# Allegro board HI3516AREFB_VER_B_PCB.brd
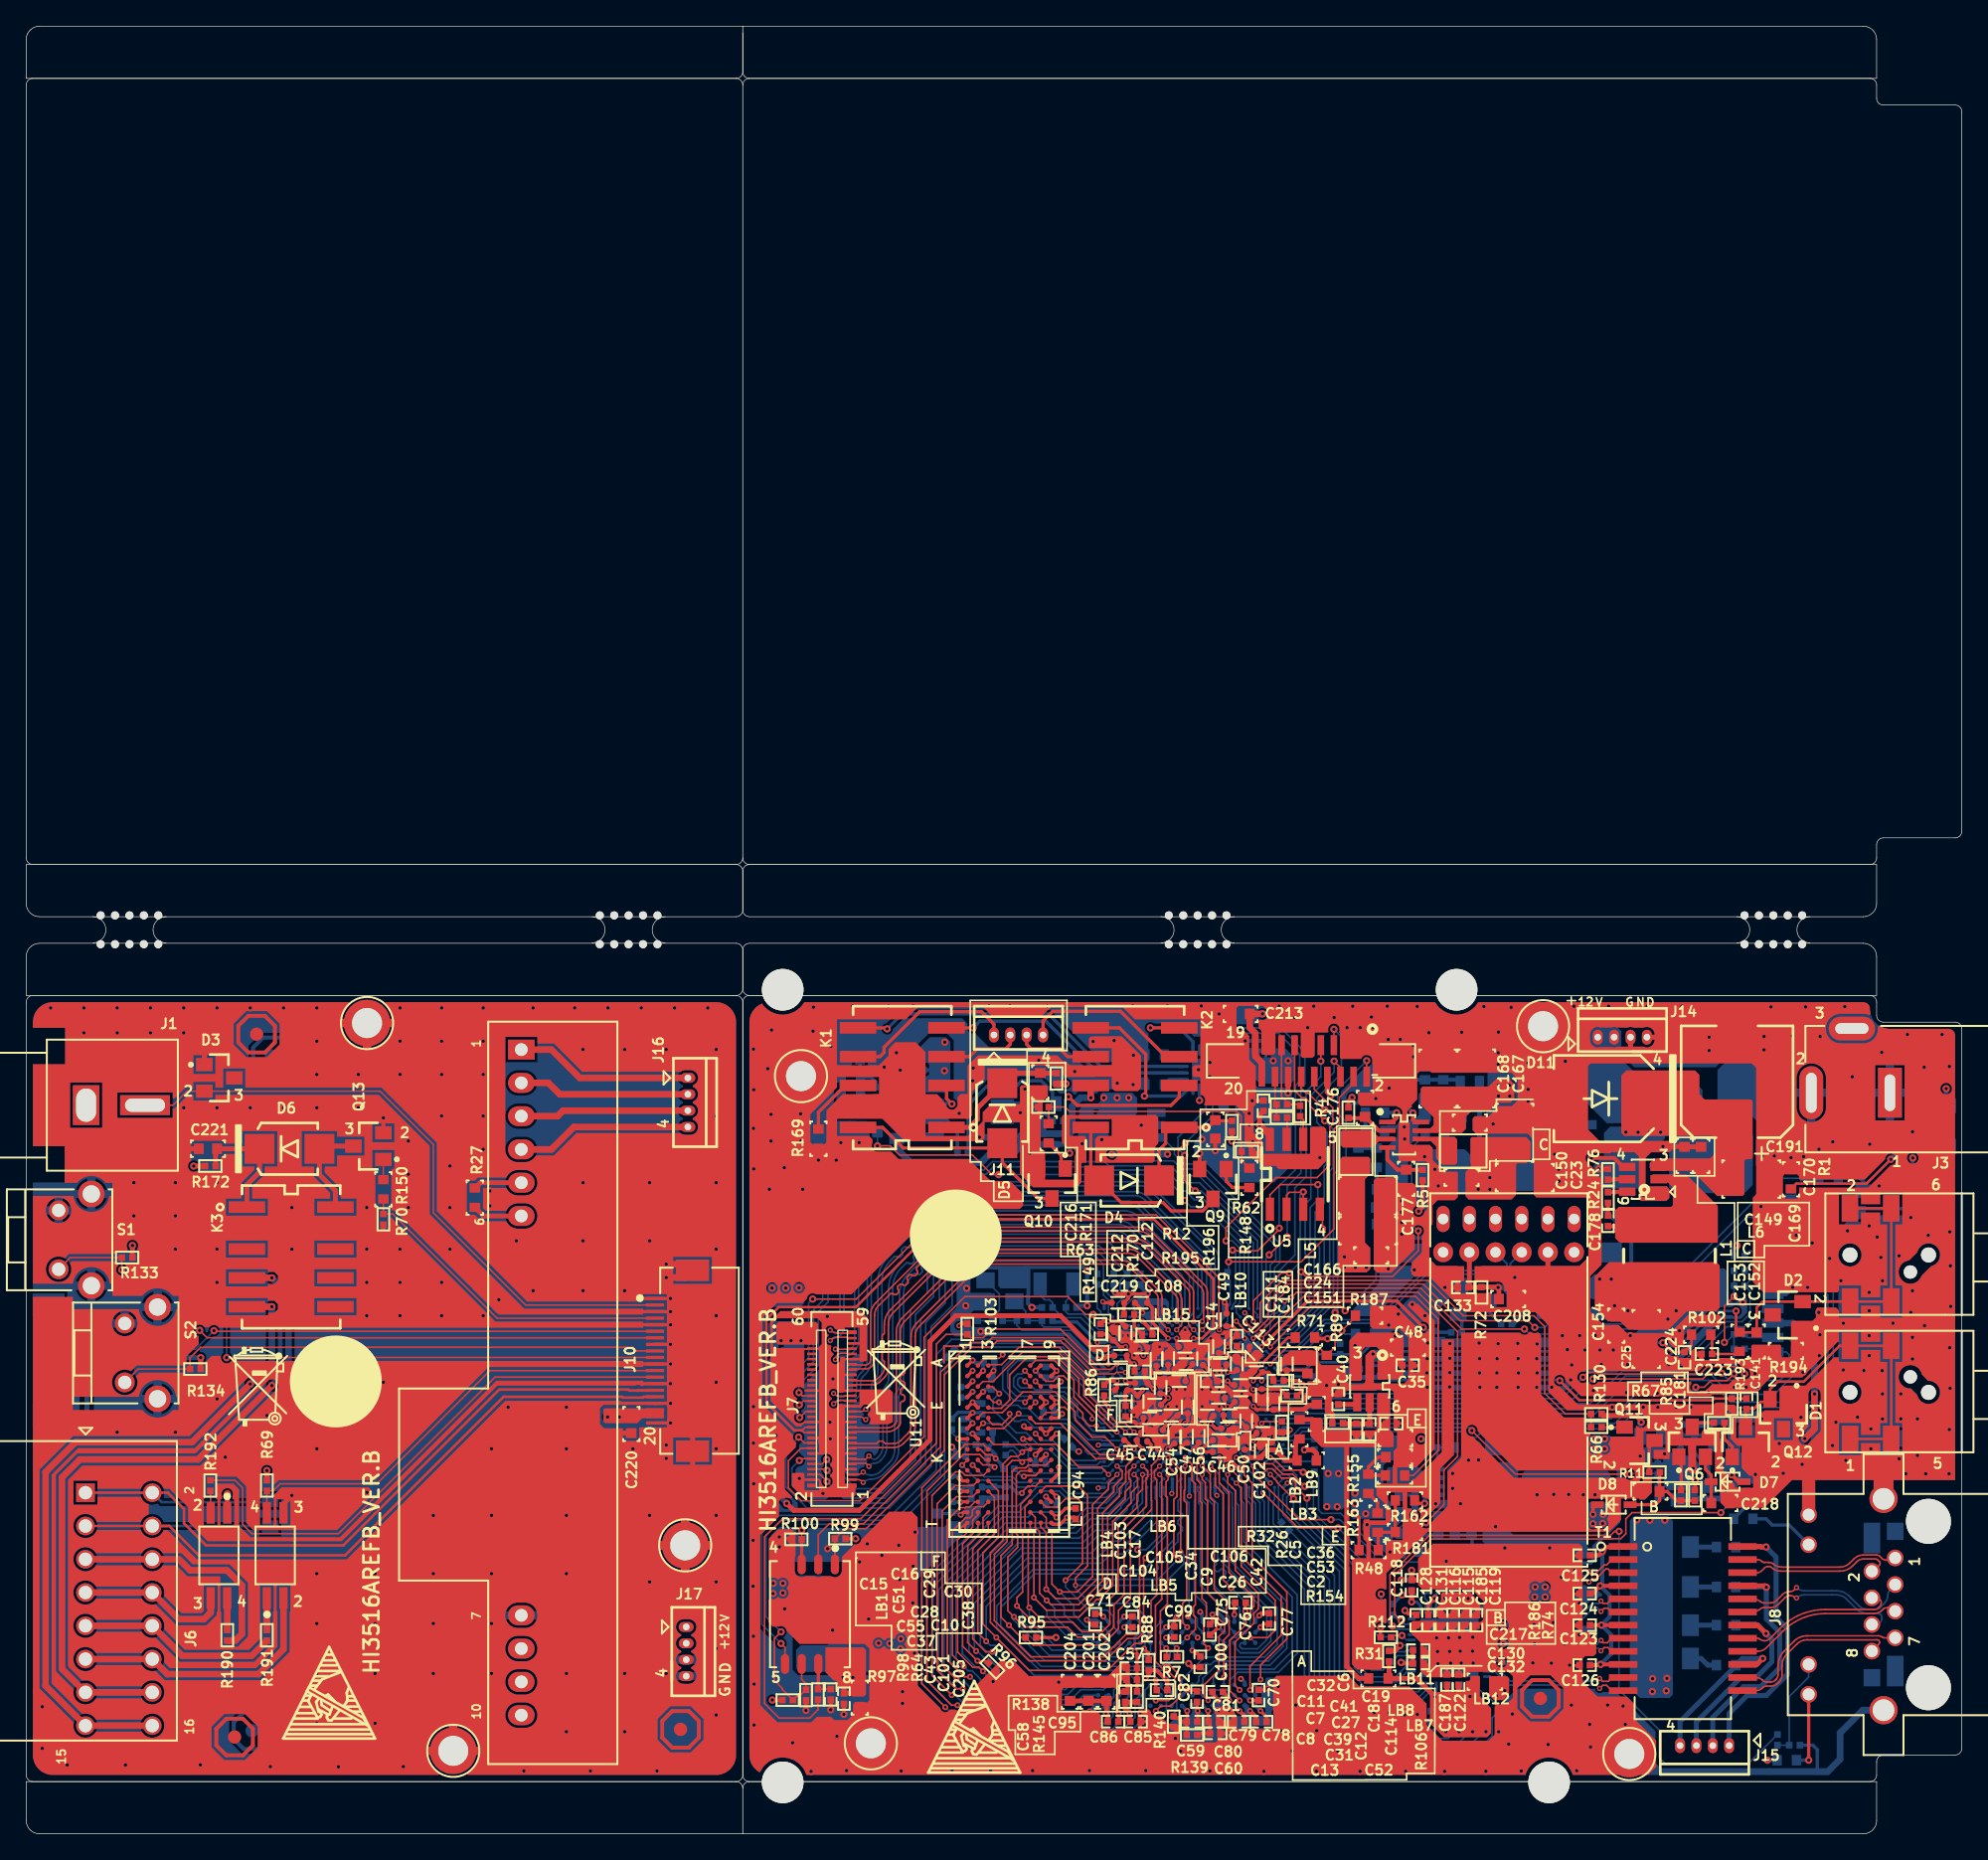
[diagram p0: board, top side]
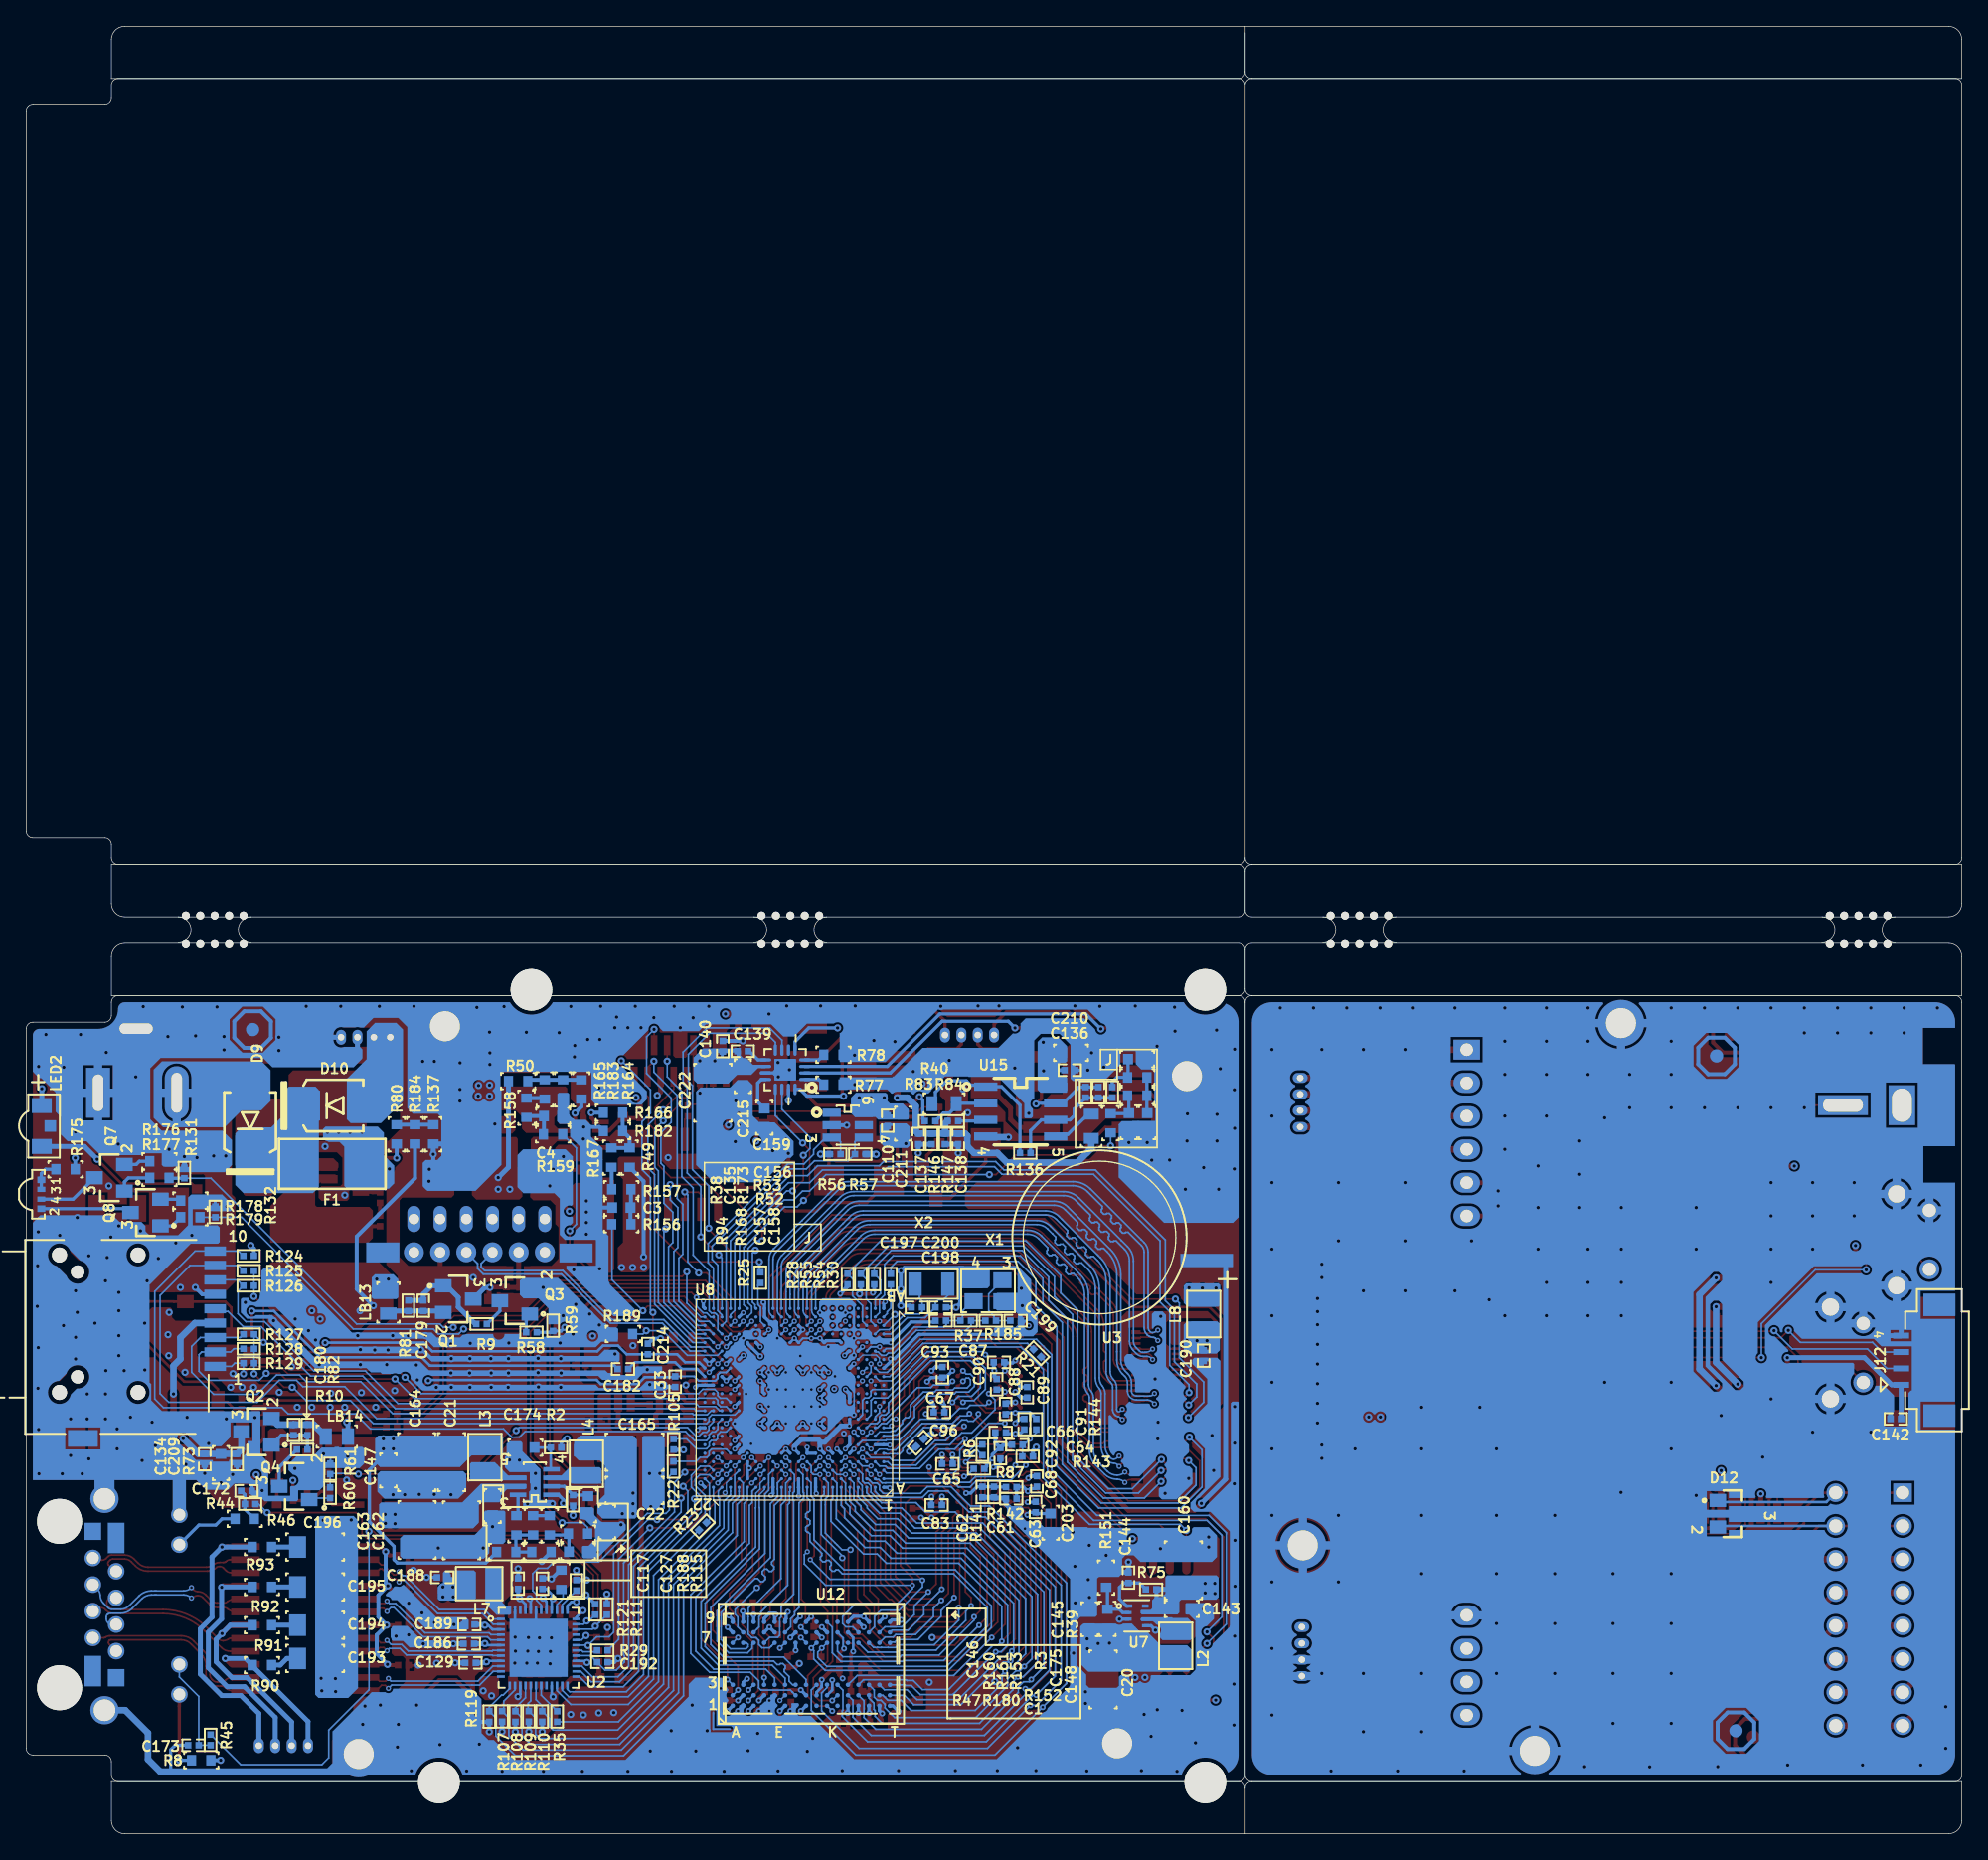
[diagram p1: board, bottom side, seen from below]

Outline 147.74 x 137.97 mm; copper layers: TOP, POWER02, GND03, BOTTOM. Coordinates in mm from the lower left corner of the outline.
Outline path: 54.19,3.98 0,3.98 0,1.02 arc(0.3,0.3) 1.02,0 54.69,0 ; 54.19,3.98 0.51,3.98 arc(0.15,4.13) 0,4.49 0,63.48 arc(0.15,63.84) 0.51,63.98 54.19,63.98 ; 54.19,3.98 arc(54.55,3.84) 54.69,3.48 ; 54.19,3.98 arc(54.55,4.13) 54.69,4.49 ; 54.19,73.98 0.51,73.98 arc(0.15,74.13) 0,74.49 0,133.48 arc(0.15,133.83) 0.51,133.98 54.19,133.98 ; 54.19,73.98 0,73.98 0,71.02 arc(0.3,70.3) 1.02,70 54.19,70 arc(54.55,70.15) 54.69,70.51 ; 54.19,73.98 arc(54.55,73.84) 54.69,73.48 ; 54.19,73.98 arc(54.55,74.13) 54.69,74.49 ; 54.19,63.98 0,63.98 0,66.95 arc(0.3,67.67) 1.02,67.97 54.19,67.97 arc(54.55,67.82) 54.69,67.46 ; 54.19,63.98 arc(54.55,63.84) 54.69,63.48 ; 54.19,63.98 arc(54.55,64.13) 54.69,64.49 ; 54.69,137.97 1.02,137.97 arc(0.3,137.67) 0,136.95 0,133.98 54.19,133.98 ; 54.69,137.97 54.69,134.49 ; 54.69,137.97 140.23,137.97 arc(140.94,137.67) 141.24,136.95 141.24,133.98 55.2,133.98 ; 54.69,0 54.69,3.48 ; 54.69,0 140.23,0 arc(140.94,0.3) 141.24,1.02 141.24,3.98 55.2,3.98 ; 54.19,133.98 arc(54.55,133.83) 54.69,133.48 ; 54.19,133.98 arc(54.55,134.13) 54.69,134.49 ; 54.69,133.48 arc(54.84,133.83) 55.2,133.98 ; 54.69,133.48 54.69,74.49 ; 54.69,73.48 54.69,70.51 ; 54.69,73.48 arc(54.84,73.84) 55.2,73.98 ; 54.69,73.48 54.69,70.51 ; 54.69,67.46 54.69,64.49 ; 54.69,67.46 arc(54.84,67.82) 55.2,67.97 140.23,67.97 arc(140.94,67.67) 141.24,66.95 141.24,63.98 55.2,63.98 ; 54.69,67.46 54.69,64.49 ; 54.69,63.48 54.69,4.49 ; 54.69,63.48 arc(54.84,63.84) 55.2,63.98 ; 54.69,63.48 54.69,4.49 ; 54.69,3.48 arc(54.84,3.84) 55.2,3.98 ; 54.69,134.49 54.69,137.46 ; 54.69,134.49 arc(54.84,134.13) 55.2,133.98 ; 55.2,133.98 140.73,133.98 arc(141.09,133.83) 141.24,133.48 141.24,132.46 arc(141.39,132.1) 141.75,131.95 147.23,131.95 arc(147.59,131.8) 147.74,131.44 147.74,76.52 arc(147.59,76.16) 147.23,76.02 141.75,76.02 arc(141.39,75.87) 141.24,75.51 141.24,74.49 arc(141.09,74.13) 140.73,73.98 55.2,73.98 ; 54.69,74.49 arc(54.84,74.13) 55.2,73.98 ; 54.69,70.51 arc(54.84,70.15) 55.2,70 140.23,70 arc(140.94,70.3) 141.24,71.02 141.24,73.98 55.2,73.98 ; 54.69,64.49 arc(54.84,64.13) 55.2,63.98 ; 54.69,4.49 arc(54.84,4.13) 55.2,3.98 ; 55.2,63.98 140.73,63.98 arc(141.09,63.84) 141.24,63.48 141.24,62.46 arc(141.39,62.1) 141.75,61.95 147.23,61.95 arc(147.59,61.8) 147.74,61.44 147.74,6.52 arc(147.59,6.16) 147.23,6.02 141.75,6.02 arc(141.39,5.87) 141.24,5.51 141.24,4.49 arc(141.09,4.13) 140.73,3.98 55.2,3.98

## Design rules (mm)
constraint set DEFAULT: min track width 0.127
net group $5N57: nets 12V0 $5N57
net group $5N74: nets $5N74 $5N76
net group $5N81: nets $5N81 $5N83
net group $5N426: nets 1V8 $5N426
net group $9N193: nets $9N193 EPHY_CLK
net group $9N253: nets $9N253 RGMII_TX_CLK
net group $9N273: nets $9N273 MDCK
net group $9N302: nets $9N302 SYS_RSTN_OUT
net group $9N313: nets $9N313 SFC_CLK/SFC_BOOT_MODE
net group $10N55: nets $10N55 SENSOR_CLK
net group $11N297: nets $11N297 FLASH_TRIG
net group $12N30: nets $12N30 RGMII_RX_CLK
net group $12N424: nets $12N424 POE_VB2
net group $12N434: nets $12N434 POE_VB1
net group $12N437: nets $12N437 POE_VA2
net group $12N444: nets $12N444 POE_VA1
net group $14N24: nets $14N24 LED1_LINKE/PHY_AD1
net group $14N29: nets $14N29 LED0_ACTIVE/PHY_AD0
net group $15N50: nets $15N50 SDIO1_CARD_POWER_EN
net group $18N72: nets $18N72 LED2
net group $18N416: nets $18N416 MUTE
net group $18N440: nets $18N440 $18N442
net group $18N491: nets $18N491 AC_MICBIAS
net group $19N66: nets $19N66 FLASH_CON
net group $19N229: nets $19N229 $19N230
net group DDR3_CLK0: nets DDR3_CLK0_N DDR3_CLK0_P
net group DDR3_CLK1: nets DDR3_CLK1_N DDR3_CLK1_P
net group MIPI0_CK: nets MIPI0_CKM MIPI0_CKP
net group MIPI0_D0: nets MIPI0_D0M MIPI0_D0P
net group MIPI0_D1: nets MIPI0_D1M MIPI0_D1P
net group MIPI0_D2: nets MIPI0_D2M MIPI0_D2P
net group MIPI0_D3: nets MIPI0_D3M MIPI0_D3P
net group MIPI1_CK: nets MIPI1_CKM MIPI1_CKP
net group MIPI1_D0: nets MIPI1_D0M MIPI1_D0P
net group MIPI1_D1: nets MIPI1_D1M MIPI1_D1P
net group MIPI1_D2: nets MIPI1_D2M MIPI1_D2P
net group MIPI1_D3: nets MIPI1_D3M MIPI1_D3P
net group MX1: nets MX1+ MX1-
net group MX2: nets MX2+ MX2-
net group MX3: nets MX3+ MX3-
net group MX4: nets MX4+ MX4-
net group PWR: nets GND PGND
net group RS485_A: nets RS485_A RS485_B
net group SFC_CSN1: nets SFC_CSN1 SFC_SDI_IO1
net group USB: nets USB_DM USB_DP
net group 3V3_CON: nets 3V3_CON ALARM_IN_CON ONE_KEY_RECOVERY_CON WPS_CON
net group $5N319: nets 1V1_MEDIA_CORE $5N319 $5N360 $5N362 $5N366 SVB_PWM_CPU
net group $5N325: nets 1V1_DDR_CORE $5N325 $5N371 $5N373 $5N376 SVB_PWM_DDR
net group $5N329: nets $5N329 $5N387 $5N390 $5N396 SVB_PWM_VDD
net group $5N333: nets $5N333 $5N379 $5N382 $5N384 SVB_PWM_MEDIA
net group $9N11: nets $9N9 $9N11 $9N21
net group $14N104: nets $14N96 $14N104 $14N159
net group $15N47: nets $15N47 $15N48 $15N51
net group $16N20: nets $16N20 $16N80 $16N92 CONT- DRV
net group $16N22: nets $16N22 $16N24 $16N26 DC_IRIS_PWM
net group $16N78: nets $16N78 $16N98 CONT+
net group $17N132: nets $17N87 $17N132 GPIO5
net group $18N425: nets $18N425 $18N427 $18N438
net group DDR: nets DDR3_A0 DDR3_A1 DDR3_A2 DDR3_A3 DDR3_A4 DDR3_A5 DDR3_A6 DDR3_A7 DDR3_A8 DDR3_A9 DDR3_A10 DDR3_A11 DDR3_A12 DDR3_A13 DDR3_A14 DDR3_BA0 DDR3_BA1 DDR3_BA2 DDR3_CAS_N DDR3_CKE DDR3_CS0_N DDR3_CS1_N DDR3_DM0 DDR3_DM1 DDR3_DM2 DDR3_DM3 DDR3_DQ0 DDR3_DQ1 DDR3_DQ2 DDR3_DQ3 DDR3_DQ4 DDR3_DQ5 DDR3_DQ6 DDR3_DQ7 DDR3_DQ8 DDR3_DQ9 DDR3_DQ10 DDR3_DQ11 DDR3_DQ12 DDR3_DQ13 DDR3_DQ14 DDR3_DQ15 DDR3_DQ16 DDR3_DQ17 DDR3_DQ18 DDR3_DQ19 DDR3_DQ20 DDR3_DQ21 DDR3_DQ22 DDR3_DQ23 DDR3_DQ24 DDR3_DQ25 DDR3_DQ26 DDR3_DQ27 DDR3_DQ28 DDR3_DQ29 DDR3_DQ30 DDR3_DQ31 DDR3_ODT_0 DDR3_ODT_1 DDR3_RAS_N DDR3_RESET_N DDR3_WE_N DDR3_ZQ
net group DVDD3318: nets DVDD3318 MDIO RGMII_RXD0/SELRGV RGMII_RXD1/TXDLY RGMII_RXD3/AN1
net group SDIO1_CCMD: nets SDIO1_CCMD SDIO1_CDATA0 SDIO1_CDATA1 SDIO1_CDATA2 SDIO1_CDATA3 SDIO1_VOUT
net group SPI0_CLK/I2C0_SCL: nets SPI0_CLK/I2C0_SCL SPI0_CSN SPI0_MOSI/I2C0_SDA VI_POWER_SENSOR

## Placement (name value [footprint] x y rotation side)
C1  1UF_NC  [SC0603]  105.62 21.53 180 bottom
C2  1UF_NC  [SC0603]  104.48 28.75 0 top
C3  1UF_NC  [SC0603]  102.32 47.8 0 bottom
C4  1UF_NC  [SC0603]  107.53 54.78 180 bottom
C5  39PF  [SC0402]  102.55 30.88 90 top
C6  2.2UF  [SC0402-BGA]  92.4 35.87 90 top
C7  2.2UF  [SC0402-BGA]  91.01 33.28 180 top
C8  2.2UF  [SC0402-BGA]  90.14 31.92 180 top
C9  2.2UF  [SC0402-BGA]  87.17 36.27 90 top
C10  2.2UF  [SC0402-BGA]  87.39 31.92 180 top
C11  4.7UF  [SC0402]  90.51 34.54 180 top
C12  2.2UF  [SC0402-BGA]  93.13 31.5 90 top
C13  2.2UF  [SC0402-BGA]  91.04 30.05 0 top
C14  2.2UF  [SC0402-BGA]  91.04 37.18 90 top
C15  2.2UF  [SC0402-BGA]  83.57 33.86 180 top
C16  2.2UF  [SC0402-BGA]  85.12 34.41 180 top
C17  2.2UF  [SC0402-BGA]  83.91 38.25 270 top
C18  2.2UF  [SC0402-BGA]  94.32 33.47 270 top
C19  2.2UF  [SC0402-BGA]  93.89 35.24 180 top
C20  47UF  [SC1206]  65.54 11.78 270 bottom
C21  47UF  [SC1206]  115.27 28.37 270 bottom
C22  47UF  [SC1206]  101.3 26.21 180 bottom
C23  47UF  [SC1206]  114.38 50.08 0 top
C24  47UF  [SC1206]  102.42 46.03 0 top
C25  47UF  [SC1206]  123.65 37.77 270 top
C26  100NF  [SC0402-BGA]  88.54 35.85 180 top
C27  100NF  [SC0402-BGA]  92.71 32.95 0 top
C28  100NF  [SC0402-BGA]  86.14 32.76 180 top
C29  2.2UF  [SC0402-BGA]  86.59 34.07 90 top
C30  2.2UF  [SC0402-BGA]  88.01 34.56 180 top
C31  100NF  [SC0402-BGA]  91.7 30.94 0 top
C32  100NF  [SC0402-BGA]  91.12 35.81 180 top
C33  1NF_NC  [SC0402]  98.21 34.51 270 bottom
C34  100NF  [SC0402-BGA]  86.27 36.2 90 top
C35  100NF  [SC0402]  105.44 35.76 0 top
C36  100NF  [SC0402]  104.2 31.31 0 top
C37  100NF  [SC0402-BGA]  86.3 30.84 180 top
C38  100NF  [SC0402-BGA]  88.66 32.57 90 top
C39  100NF  [SC0402-BGA]  91.86 31.95 0 top
C40  10NF  [SC0402]  100.15 33.18 90 top
C41  100NF  [SC0402-BGA]  92.68 34.26 0 top
C42  100NF  [SC0402-BGA]  89.83 36.25 90 top
C43  1NF  [SC0402]  61.41 10.64 270 top
C44  100NF  [SC0402-BGA]  86.04 29.95 0 top
C45  100NF  [SC0402-BGA]  84.29 30.04 180 top
C46  100NF  [SC0402-BGA]  91.03 29.15 0 top
C47  100NF  [SC0402-BGA]  88.6 30.31 90 top
C48  10UF  [SC0603]  105.47 37.11 0 top
C49  100NF  [SC0402-BGA]  91.63 39.23 90 top
C50  100NF  [SC0402-BGA]  93 29.8 90 top
C51  100NF  [SC0402-BGA]  84.83 32.98 270 top
C52  100NF  [SC0402-BGA]  94.39 30.6 0 top
C53  10UF  [SC0603]  104.51 30.21 0 top
C54  100NF  [SC0402-BGA]  87.64 30.27 90 top
C55  100NF  [SC0402-BGA]  85.75 31.73 0 top
C56  100NF  [SC0402-BGA]  89.49 30.33 90 top
C57  100NF  [SC0402]  84.39 12.65 180 top
C58  100NF  [SC0402]  83.88 10.46 90 top
C59  100NF  [SC0402]  88.98 8.56 0 top
C60  100NF  [SC0402]  90.76 7.67 0 top
C61  100NF  [SC0402]  72.55 25.57 0 bottom
C62  100NF  [SC0402]  74.76 26.08 270 bottom
C63  100NF  [SC0402]  70.7 24.94 90 bottom
C64  100NF  [SC0402]  72.09 29.69 0 bottom
C65  100NF  [SC0402]  77.43 28.24 180 bottom
C66  100NF  [SC0402]  73.36 30.63 0 bottom
C67  100NF  [SC0402]  78.06 32.18 180 bottom
C68  100NF  [SC0402]  70.59 26.89 90 bottom
C70  100NF  [SC0402]  94.06 10.59 90 top
C71  100NF  [SC0402]  81.59 16.38 270 top
C75  100NF  [SC0402]  90.36 15.59 270 top
C76  100NF  [SC0402]  92.68 17.65 0 top
C77  100NF  [SC0402]  94.88 16.43 90 top
C78  100NF  [SC0402]  94.27 8.55 180 top
C79  100NF  [SC0402]  92.57 8.55 180 top
C80  100NF  [SC0402]  90.65 8.56 0 top
C81  100NF  [SC0402]  90.95 10.84 180 top
C82  100NF  [SC0402]  89.37 10.47 270 top
C83  100NF  [SC0402]  78.25 25.09 180 bottom
C84  100NF  [SC0402]  84.44 16.18 90 top
C85  100NF  [SC0402]  84.68 8.56 0 top
C86  100NF  [SC0402]  82.96 8.56 0 top
C87  100NF  [SC0402]  73.49 35.99 0 bottom
C88  100NF  [SC0402]  72.98 32.43 90 bottom
C89  100NF  [SC0402]  71.33 33.7 270 bottom
C90  100NF  [SC0402]  73.67 34.31 90 bottom
C91  100NF  [SC0402]  71.56 31.26 90 bottom
C92  100NF  [SC0402]  73.38 29.04 90 bottom
C93  100NF  [SC0402]  77.81 35.23 90 bottom
C94  100NF  [SC0402]  80.09 24.43 270 top
C95  100NF  [SC0402]  86.7 10.97 0 top
C96  100NF  [SC0402]  79.53 29.85 315 bottom
C99  100NF  [SC0402]  87.64 15.41 270 top
C100  100NF  [SC0402]  89.62 13.13 270 top
C101  100NF  [SC0402]  62.42 10.32 270 top
C102  100NF  [SC0402-BGA]  94.23 29.22 90 top
C103  100NF  [SC0402-BGA]  82.98 38.15 90 top
C104  100NF  [SC0402-BGA]  83.53 36.49 180 top
C105  100NF  [SC0402-BGA]  85.1 37.12 180 top
C106  100NF  [SC0402-BGA]  88.44 37.17 0 top
C108  100NF  [SC0402-BGA]  85.1 40.53 180 top
C110  100NF  [SC0402]  81.98 54.43 270 bottom
C111  100NF  [SC0402-BGA]  96.22 35.86 90 top
C112  100NF  [SC0402]  94.44 55.57 90 top
C113  100NF  [SC0402-BGA]  93.72 36.84 315 top
C114  100NF  [SC0402-BGA]  95.21 32.83 90 top
C115  100NF  [SC0402]  108.93 16.34 270 top
C116  100NF  [SC0402]  108.03 16.3 270 top
C117  100NF  [SC0402]  110.19 19.1 90 bottom
C118  100NF  [SC0402]  105.75 18.97 90 top
C119  100NF  [SC0402]  110.7 16.3 270 top
C122  100NF  [SC0402]  109.33 11.77 90 top
C123  100NF  [SC0402]  118.96 15.92 180 top
C124  100NF  [SC0402]  118.96 18.33 180 top
C125  100NF  [SC0402]  118.96 21.26 180 top
C126  100NF  [SC0402]  118.96 12.87 180 top
C127  100NF  [SC0402]  108.34 19.1 90 bottom
C128  100NF  [SC0402]  106.1 16.3 270 top
C129  100NF  [SC0402]  113.83 13.05 0 bottom
C130  100NF  [SC0402]  106.26 14.02 0 top
C131  100NF  [SC0402]  107.02 16.3 270 top
C132  100NF  [SC0402]  106.26 13 0 top
C133  100NF  [SC0402]  109.68 41.7 180 top
C134  100NF  [SC0402]  134.11 28.59 270 bottom
C135  100NF  [SC0402]  65.9 56.59 90 bottom
C136  100NF  [SC0402]  68.09 58.29 0 bottom
C137  100NF  [SC0402]  79.65 53.03 270 bottom
C138  100NF  [SC0402]  76.6 53.03 90 bottom
C139  100NF  [SC0402]  93.05 59.74 0 bottom
C140  100NF  [SC0402]  94.57 60.12 90 bottom
C141  33PF  [SC0603]  132.09 37.57 270 top
C142  100NF  [SC0402]  5.04 31.67 0 bottom
C143  100NF  [SC0603]  59.55 17.17 180 bottom
C144  10NF  [SC0402]  63.61 19.55 90 bottom
C145  100NF  [SC0603]  66.58 16.38 90 bottom
C146  100NF  [SC0603]  112.15 25.02 270 bottom
C147  100NF  [SC0603]  120.1 27.73 270 bottom
C148  100NF  [SC0603]  103.41 23.8 270 bottom
C149  100NF  [SC0603]  110.19 54.28 0 top
C150  100NF  [SC0603]  109.56 50.08 180 top
C151  100NF  [SC0603]  102.66 44.15 0 top
C152  100NF  [SC0603]  127.85 51.74 90 top
C153  100NF  [SC0603]  126.58 51.74 90 top
C154  100NF  [SC0603]  121.37 38.78 270 top
C156  2.2UF  [SC0603]  62.94 59.13 180 bottom
C157  2.2UF  [SC0603]  63.58 54.31 270 bottom
C158  2.2UF  [SC0603]  62.18 54.31 270 bottom
C159  2.2UF  [SC0603]  91.4 54.66 90 bottom
C160  22UF  [SC1210]  59.42 20.11 90 bottom
C162  22UF  [SC1210]  114.51 23.16 270 bottom
C163  22UF  [SC1210]  117.91 23.19 270 bottom
C164  22UF  [SC1210]  117.94 28.37 270 bottom
C165  22UF  [SC1210]  101.3 29.13 180 bottom
C166  22UF  [SC1210]  102.41 48.69 0 top
C167  22UF  [SC1210]  110.69 57.65 90 top
C168  22UF  [SC1210]  107.75 57.64 90 top
C169  22UF  [SC1210]  113.62 53.51 90 top
C170  22UF  [SC1210]  131.67 49.97 0 top
C172  22PF  [SC0402]  130.93 26.17 180 bottom
C173  22PF  [SC0402]  134.98 6.77 0 bottom
C174  100NF  [SC0603]  109.64 29.48 0 bottom
C175  100NF  [SC0603]  104.86 25.07 270 bottom
C176  100NF  [SC0603]  102.19 55.42 90 top
C177  100NF  [SC0603]  105.33 49.99 270 top
C178  1UF  [SC0402]  120.73 46.78 270 top
C179  1UF  [SC0402]  117.43 40.31 90 bottom
C180  1UF  [SC0402]  127.33 30.83 270 bottom
C181  1UF  [SC0402]  131.31 32.82 90 top
C182  4.7UF  [SC0402]  102.19 35.48 0 bottom
C184  10UF  [SC0603]  97.8 35.84 90 top
C185  4.7UF  [SC0402]  109.81 16.34 270 top
C186  4.7UF  [SC0402]  113.96 14.5 0 bottom
C187  4.7UF  [SC0402]  108.45 11.77 90 top
C188  4.7UF  [SC0402]  115.98 19.58 0 bottom
C189  4.7UF  [SC0402]  113.92 15.97 0 bottom
C190  4.7UF  [SC0402]  57.87 36.5 270 bottom
C191  220UF  [SCAPC2-280-327]  130.59 57.4 90 top
C192  1NF  [SC0402]  103.76 13.1 180 bottom
C193  1NF  [SC1206]  125.69 13.38 180 bottom
C194  1NF  [SC1206]  125.69 15.92 180 bottom
C195  1NF  [SC1206]  125.69 18.84 180 bottom
C196  1NF  [SC1206]  125.69 21.89 180 bottom
C197  15PF  [SC0402]  79.76 40.18 0 bottom
C198  15PF  [SC0402]  77.93 40.18 180 bottom
C199  15PF  [SC0402]  72.22 39.16 180 bottom
C200  15PF  [SC0402]  77.93 39.16 0 bottom
C201  10UF  [SC0603]  81.08 10.84 90 top
C202  10UF  [SC0603]  82.46 10.84 90 top
C203  10UF  [SC0603]  69.55 23.74 270 bottom
C204  10UF  [SC0603]  79.67 10.84 90 top
C205  10UF  [SC0603]  63.63 10.39 270 top
C208  10UF  [SC0603]  113.11 40.81 0 top
C209  10UF  [SC0603]  132.88 28.29 270 bottom
C210  10UF  [SC0603]  68 59.62 180 bottom
C211  10UF  [SC0603]  80.81 54.2 270 bottom
C212  10UF  [SC0603]  90.76 53.77 270 top
C213  10UF  [SC0603]  92.69 62.58 180 top
C214  4.7UF  [SC0402]  100.29 37 90 bottom
C215  10UF  [SC0603]  93.05 57.83 270 bottom
C216  10UF  [SC0603]  77.4 57.36 270 top
C217  10UF  [SC0603]  123.98 26.13 180 top
C218  10UF  [SC0603]  129.32 25.25 0 top
C219  2.2UF  [SC0402-BGA]  83.33 40.53 180 top
C220  10UF  [SC0603]  46.18 31.28 270 top
C221  10UF  [SC0603]  13.87 52.29 180 top
C222  100UF  [SC1210]  95.33 56.56 270 bottom
C223  2.2UF  [HSC0402]  128.28 36.62 180 top
C224  100NF  [SC0402]  126.58 36.37 270 top
D1  D2-3_D  [SOT23]  134.13 32.03 180 top
D2  D2-3_D  [SOT23]  134.45 39.6 90 top
D3  D2-3_D  [SOT23]  14.74 57.7 270 top
D4  D  [SD1714A]  84.18 49.86 0 top
D5  D  [SD1714A]  74.51 55 90 top
D6  D  [SD1714A]  20.1 52.29 180 top
D7  D_A  [SOD323]  129.86 26.87 180 top
D8  D_A  [SOD323]  121.17 25.12 180 top
D9  DIODE  [SD1714A]  130.65 54.43 270 bottom
D10  DIODE  [SD1714A]  124.17 55.58 0 bottom
D11  DZ  [SD2723]  120.16 56.11 0 top
D12  D2-3_D  [SOT23]  17.48 24.43 270 bottom
F1  SSQ2_A  [SF6127]  124.38 51.13 180 bottom
J1  AV_84_5Y_HW  [VAF2]  4.57 55.61 270 top
J2  HEAD1_6  [WL-UW163DN]  118.15 44.39 180 top
J3  DC2026_00  [PWC0103-M-N]  142.25 56.56 0 top
J4  AUDIO  [PHONEJ6]  142.66 33.69 180 top
J5  AUDIO  [PHONEJ6]  142.66 44.18 180 top
J6  CON  [HD2X8_2_54]  9.62 8.26 90 top
J7  MIPI_60_CON  [SED60-16F-A]  61.5 32.43 90 top
J8  E5J88_14LJ24_L  [MJ8-SRLFY]  142.66 21.06 270 top
J9  FPC-20  [FPC20-1_0MM]  98.07 58.99 0 top
J10  -  [FPC-20]  51.39 36.11 90 top
J11  SDW12501_4A_HW  [WBC0104-49T]  73.86 60.97 0 top
J12  SDW12501_4A_HW  [WTB4-1_25]  1.89 36.15 270 bottom
J13  SD-47309-001  [TF_CARD-MISOSD]  143.82 37.93 270 bottom
J14  SDW12501_4A_HW  [WBC0104-49T]  119.96 60.8 0 top
J15  SDW12501_4A_HW  [WBC0104-49T]  129.98 6.73 180 top
J16  SDW12501_4A_HW  [WBC0104-49T]  50.5 57.7 270 top
J17  SDW12501_4A_HW  [WBC0104-49T]  50.38 15.79 270 top
K1  UD2_3NU_L5  [SRLY8-87-283]  66.87 57.72 90 top
K2  UD2_3NU_L5  [SRLY8-87-283]  84.64 57.72 90 top
K3  UD2_3NU_L5  [SRLY8-87-283]  20.22 44.03 270 top
L1  4.7UH  [SL2828]  125.43 44.12 180 top
L2  2.2UH  [HSL1008]  60 14.35 270 bottom
L3  2.2UH  [HSL1008]  112.73 28.75 270 bottom
L4  2.2UH  [HSL1008]  104.99 28.24 90 bottom
L5  2.2UH  [HSL1008]  101.49 52.06 270 top
L6  2.2UH  [HSL1008]  109.68 52.12 180 top
L7  2.2UH  [HSL1008]  113.16 19.1 0 bottom
L8  2.2UH  [HSL1008]  57.87 39.67 90 bottom
LB1  BLM15HG102SN1D  [SL0402]  83.91 32.26 270 top
LB2  MGLB1608_030T_LF  [SL0603]  97.19 30.88 270 top
LB3  NC  [SL0603]  97.75 28.49 180 top
LB4  BLM15HG102SN1D  [SL0402]  82 38.53 90 top
LB5  BLM15HG102SN1D  [SL0402]  85 35.3 0 top
LB6  BLM15HG102SN1D  [SL0402]  85.57 38.12 0 top
LB7  BLM15HG102SN1D  [SL0402]  96.6 33.45 0 top
LB8  BLM15HG102SN1D  [SL0402]  95.59 34.59 0 top
LB9  MGLB1608_030T_LF  [SL0603]  98.51 32.05 270 top
LB10  BLM15HG102SN1D  [SL0402]  92.41 37.64 270 top
LB11  MGLB1608_030T_LF  [SL0603]  103.21 11.86 180 top